# Altium PCB MCH_MAIN.PCBDOC (part 8 of 14)
Units mil, origin at the board's own origin, x right, y up, seen from the top; angles counter-clockwise.
Board outline 7110.66 x 2894.12 mil, 6 copper layers (Top Layer, Power, MidLayer1, MidLayer4, GND, Bottom Layer), stack 61.549 mil thick; 630 components, 1085 nets, 3940 pads, 2676 vias.
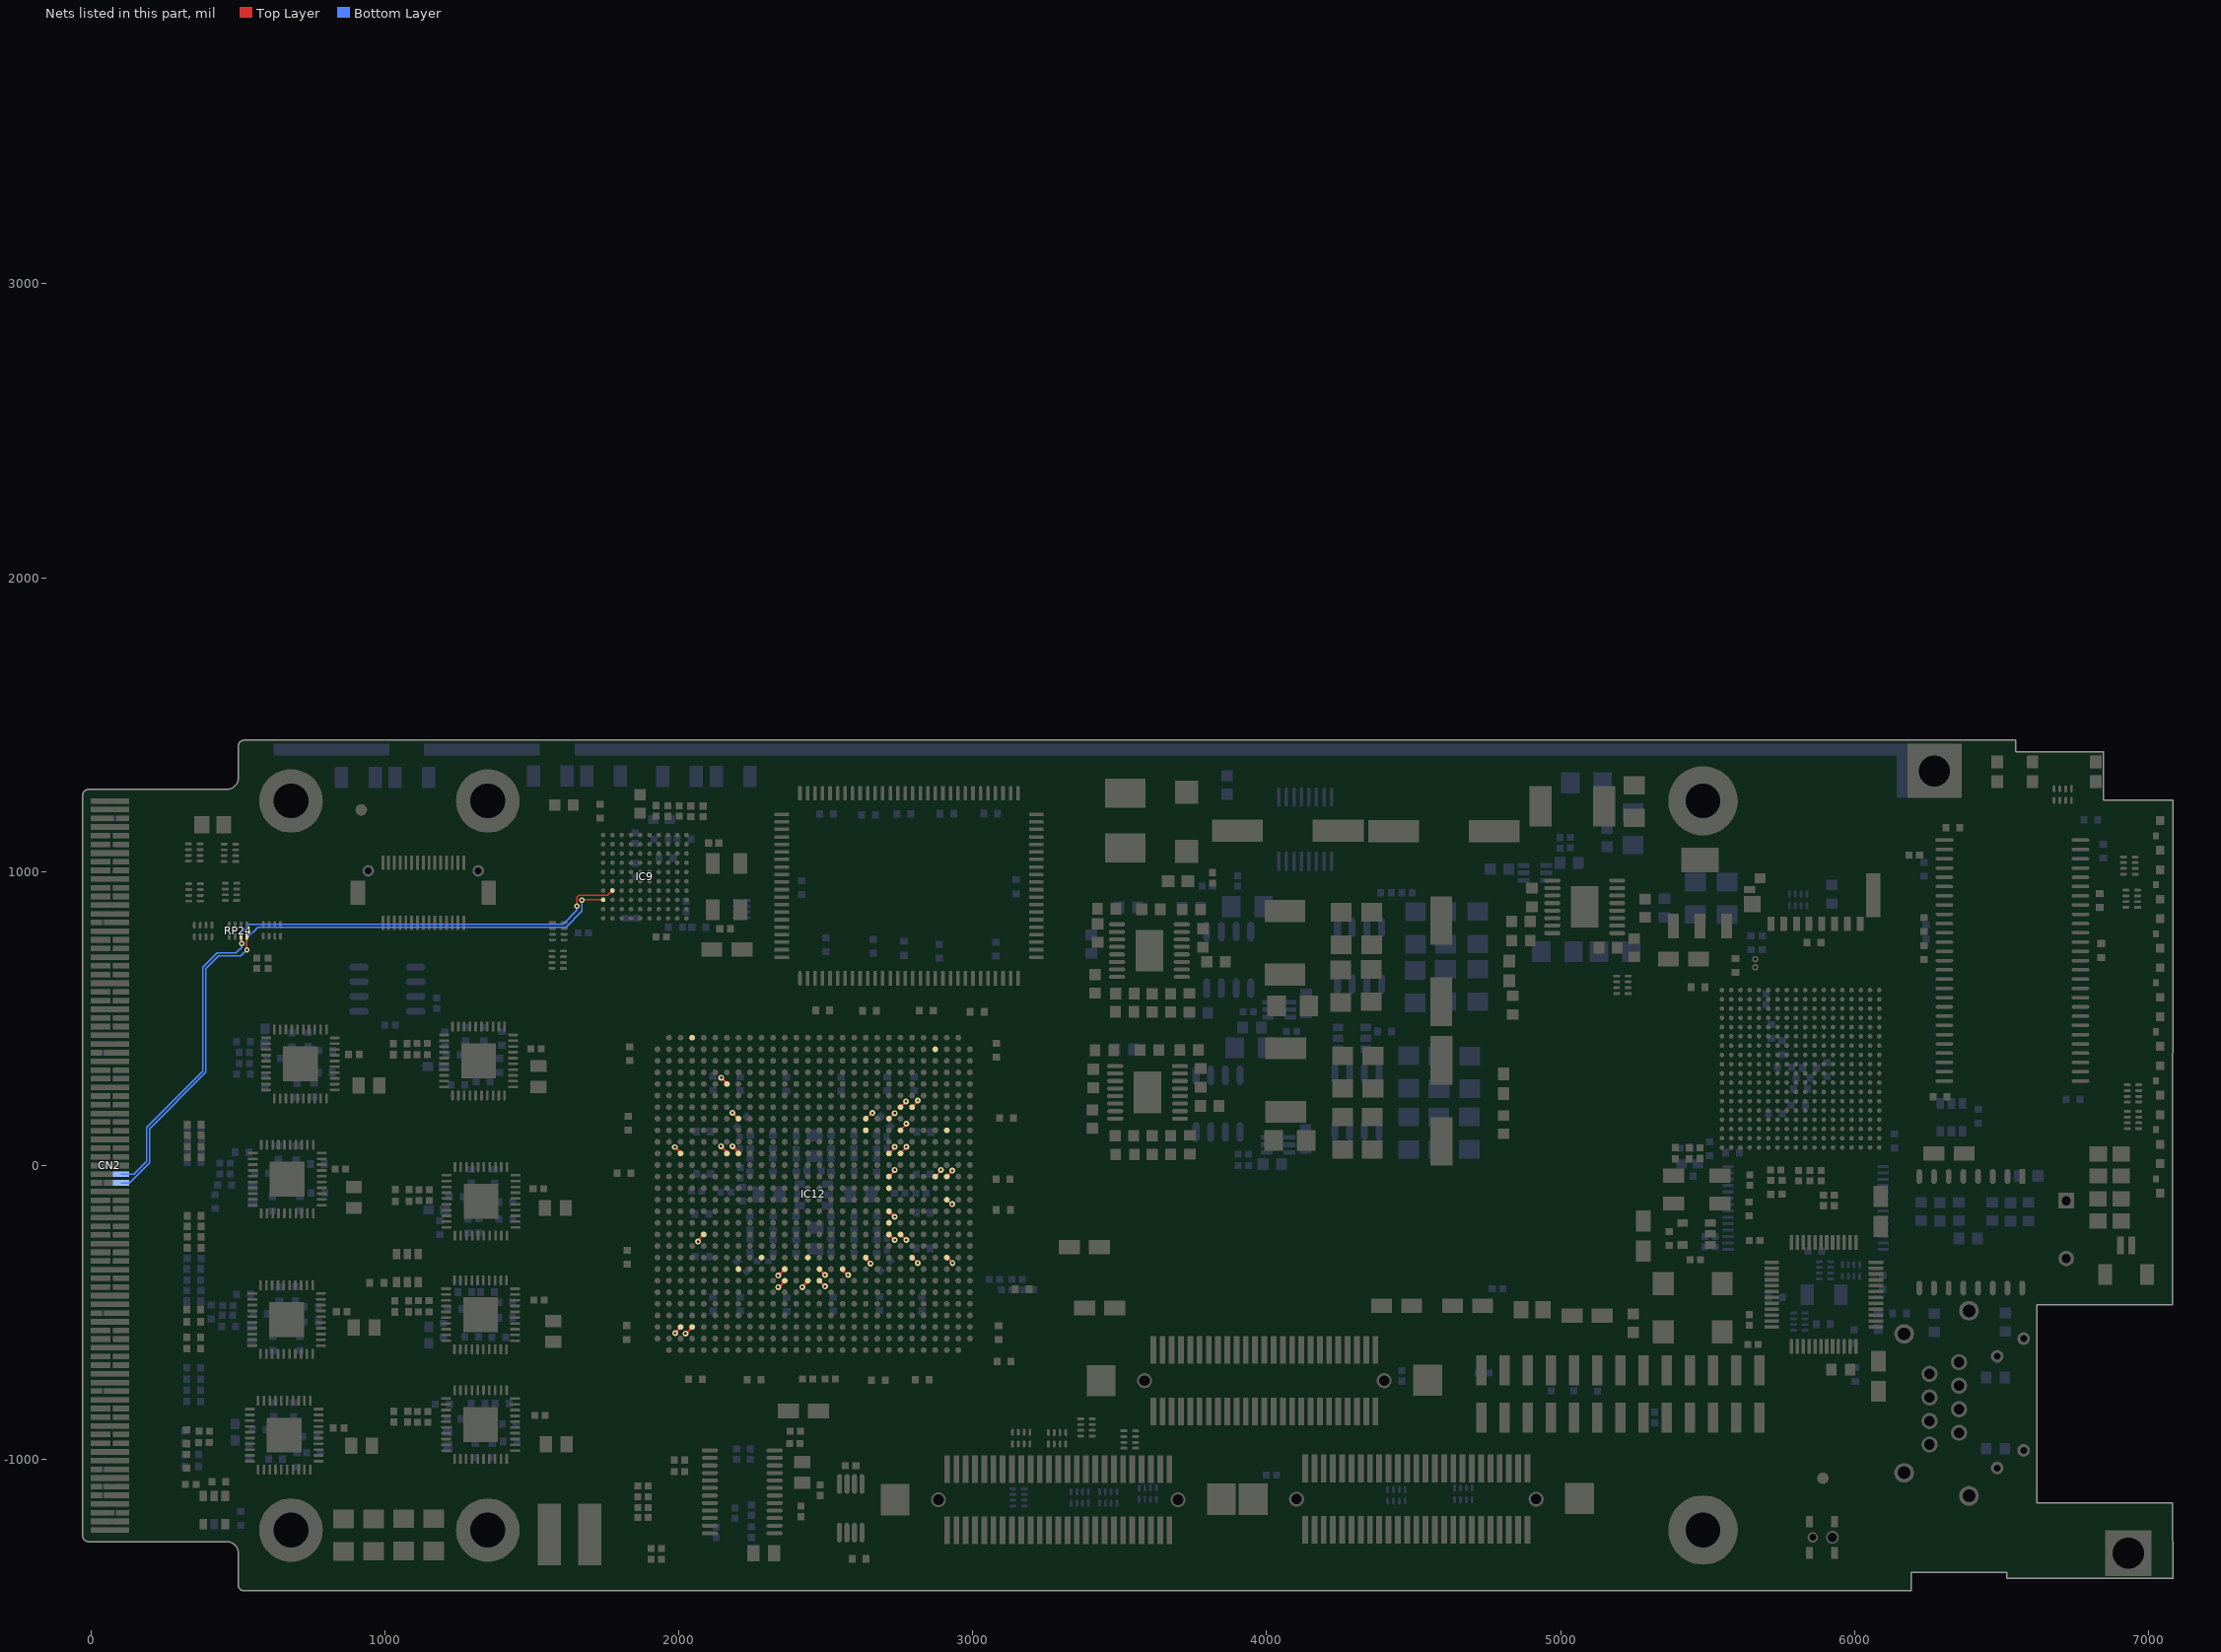
[diagram p12: the nets of this part, all layers, seen from the top]

## Via types
v1: diameter 20, hole 8, Top Layer to Bottom Layer, tented both sides, 1658 vias
v2: diameter 18, hole 8, Top Layer to Bottom Layer, tented both sides, 580 vias
v3: diameter 24, hole 10, Top Layer to Bottom Layer, tented both sides, 438 vias

## Nets (pads, with @x,y where several pads share a name; then routed paths per layer and width w, separated by ;. In a path a pad name is that pad's centre, name@x,y a point inside that pad or via, vN(x,y) a via of type N, cw(c..) or ccw(c..) an arc to the next point about the centre after c; other vN are vias at no path point) (continued)
FREE_2V5_37: IC12.AA15 | length 25.1
  Top Layer w8: IC12.AA15@2478.73,-352.6 2478.73,-352.76 v1@2496.36,-370.4
  other v1: 2497.35,-372.3
FREE_2V5_38: IC12.A4
FREE_2V5_39: IC12.L8 | length 33
  Top Layer w8: v1(2182.79,65.66) 2203.14,45.32 IC12.L8@2203.14,41.1
FREE_2V5_40: IC12.L7 | length 33
  Top Layer w8: v1(2143.42,65.66) 2163.77,45.32 IC12.L7@2163.77,41.1
FREE_2V5_41: IC12.AF3 | length 24.4
  Top Layer w8: v1@1988.49,-569.22 2004.32,-553.39 IC12.AF3@2004.32,-551.42
  other v1: 1987.5,-570.2
FREE_2V5_42: IC12.H8 | length 29
  Top Layer w8: v1(2182.79,179.83) 2203.14,159.49 IC12.H8@2203.14,159.21
FREE_2V5_43: IC12.Y10
FREE_2V5_44: IC12.Y19 | length 26.9
  Top Layer w8: IC12.Y19@2636.21,-313.23 2636.21,-316.91 v1(2652.6,-333.3)
FREE_2V5_45: IC12.Y14 | length 0.7
  Top Layer w5: IC12.Y14@2438.67,-313.23 IC12.Y14@2439.36,-313.23
FREE_2V5_46: IC12.AF4 | length 24.4
  Top Layer w8: v1@2027.86,-569.22 2043.69,-553.39 IC12.AF4@2043.69,-551.42
  other v1: 2022.94,-571.18
FREE_2V5_47: IC12.L3 | length 30.1
  Top Layer w8: v1(1987.16,62.68) 2006.28,43.55 IC12.L3@2006.28,41.1
  Bottom Layer w5: v1@1986.74,63.1 v1(1987.16,62.68)
FREE_2V5_48: IC12.AB12 | length 29.9
  Top Layer w8: v1@2338.88,-415.67 2358.65,-395.91 IC12.AB12@2358.65,-393.94
  other v1: 2337.9,-413.7
FREE_2V5_49: IC12.AA8
FREE_2V5_50: IC12.E7 | length 29.6
  Top Layer w8: v1(2144.41,298.93) 2163.77,279.57 IC12.E7@2163.77,277.32
FREE_2V5_51: IC12.V5 | length 32.5
  Top Layer w5: v1(2065.6,-258.9) 2065.6,-253.92 IC12.V5@2085.02,-234.49
FREE_2V5_52: IC12.AA12 | length 28
  Top Layer w8: v1@2338.88,-374.33 IC12.AA12@2358.65,-354.57
  other v1: 2337.9,-374.33
FREE_2V5_53: IC12.AA17 | length 27.1
  Top Layer w8: IC12.AA17@2557.47,-352.6 2557.47,-354.73 v1@2575.1,-372.36
  other v1: 2576.09,-372.3
FREE_2V5_54: IC12.AB14 | length 29.9
  Top Layer w8: v1@2419.59,-413.7 2439.36,-393.94 IC12.AB14@2439.36,-391.97
  other v1: 2420.58,-413.7
FREE_2V5_55: IC12.AB15 | length 27.9
  Top Layer w8: IC12.AB15@2478.73,-391.97 2478.73,-392.13 v1@2498.33,-411.73
  other v1: 2497.35,-411.67
FREE_3V3_3: IC12.N21 | length 27.7
  Top Layer w5: IC12.N21@2714.95,-37.64 v1@2734.55,-18.03
  other v1: 2734.55,-15.08
FREE_3V3_4: IC12.Y23 | length 27
  Top Layer w8: IC12.Y23@2793.69,-313.23 2795.5,-313.23 v1@2813.29,-331.03
  other v1: 2813.29,-331.95
FREE_3V3_5: IC12.H21 | length 48.5
  Top Layer w5: v1@2730.62,174.88 IC12.H21@2714.95,159.21 v1@2733.57,177.83
  other v1: 2734.55,177.83
FREE_3V3_6: IC12.R26 | length 23.4
  Top Layer w5: IC12.R26@2911.8,-116.38 2925.65,-130.24 v1@2929.43,-130.24
  other v1: 2930.15,-131.73
FREE_3V3_7: IC12.B25
FREE_3V3_8: IC12.N25 | length 36.5
  Top Layer w5: IC12.N25@2872.43,-37.64 v1@2892.03,-18.03 ; v1@2891.76,-14.5 2893.02,-13.25 v1@2893.02,-9.18
  Bottom Layer w5: v1@2892.03,-18.03 v1(2892.03,-15.08)
FREE_3V3_9: IC12.V21 | length 27.1
  Top Layer w8: IC12.V21@2714.95,-234.49 2714.95,-234.65 2732.58,-252.29 v1@2732.58,-250.32
  other v1: 2734.55,-253.21
FREE_3V3_10: IC12.V22 | length 30.7
  Top Layer w8: IC12.V22@2751.35,-234.57 IC12.V22@2752.27,-234.57 ; IC12.V22@2754.32,-234.49 2774.08,-254.25 v1@2775.89,-254.25
  other v1: 2773.92,-253.21
FREE_3V3_11: IC12.L22 | length 36.5
  Top Layer w5: IC12.L22@2754.32,41.1 v1@2773.92,60.71 ; v1@2773.65,64.24 2774.91,65.49 v1@2774.91,69.56
  Bottom Layer w5: v1@2773.92,60.71 v1(2773.92,63.66)
FREE_3V3_12: IC12.U21
FREE_3V3_13: IC12.Y26 | length 29.8
  Top Layer w8: IC12.Y26@2911.8,-313.23 2913.61,-313.23 v1@2933.37,-332.99
  other v1: 2931.4,-331.95
FREE_3V3_14: IC12.T21 | length 24.2
  Top Layer w8: IC12.T21@2714.95,-155.75 2730.77,-171.58 v1@2732.58,-171.58
  other v1: 2734.55,-174.47
FREE_3V3_15: IC12.G23 | length 27.7
  Top Layer w5: IC12.G23@2793.69,198.58 v1@2813.29,218.19
  other v1: 2813.29,221.14
FREE_3V3_16: IC12.J26
FREE_3V3_17: IC12.L21 | length 36.5
  Top Layer w5: IC12.L21@2714.95,41.1 v1@2734.55,60.71 ; v1@2734.28,64.24 2735.54,65.49 v1@2735.54,69.56
  Bottom Layer w5: v1@2734.55,60.71 v1(2734.55,63.66)
FREE_3V3_18: IC12.P21
FREE_3V3_19: IC12.H19 | length 38.3
  Top Layer w5: IC12.H19@2636.21,159.21 2655.81,178.82 v1(2658.76,178.82)
  Bottom Layer w5: v1@2664.67,179.8 v1@2660.6,179.8 ; v1@2660.6,179.8 2659.34,178.55 v1@2660.6,179.8
FREE_3V3_20: IC12.N26 | length 31.1
  Top Layer w5: IC12.N26@2911.8,-37.64 v1@2931.4,-18.03 ; v1@2931.13,-14.5 v1@2932.39,-13.25
  Bottom Layer w5: v1@2931.37,-19.64 v1@2931.37,-18.06
  other v1: 2930.6,-17.2
FREE_3V3_21: IC12.J22 | length 36.5
  Top Layer w5: IC12.J22@2754.32,119.84 v1@2773.92,139.45 ; v1@2773.65,142.98 2774.91,144.23 v1@2774.91,148.3
  Bottom Layer w5: v1@2773.92,139.45 v1(2773.92,142.4)
FREE_3V3_22: IC12.G22 | length 26.3
  Top Layer w5: IC12.G22@2754.32,198.58 v1@2772.94,217.2
  other v1: 2772.94,218.19
FREE_3V3_23: IC12.J19
FRU_SCL: CN2.130 IC9.A3 RP24.8 | length 2413
  Top Layer w5: v2@530.53,734.37 RP24.8@530.53,779.21 ; v2(1671,902.9) 1672,903.9 1701,903.9 ; 1691,903.9 1701,903.9 ; IC9.A3@1743,903.89 1701,903.9
  Bottom Layer w5: CN2.130@102.37,-59.08 131.25,-59.08 199.5,9.18 199.5,125.2 391,316.7 391,669.9 434.5,713.4 510.5,713.4 v2(531,733.9) 531,772.9 569,810.9 1616,810.9 1670.5,865.4 v2@1670.5,902.4
FRU_SDA: CN2.129 IC9.B4 RP24.7 | length 2442.3
  Top Layer w5: v2@509,752.9 510.84,754.74 RP24.7@510.84,779.21 ; v2(1654,882.9) 1654,912.9 1660.5,919.4 1744.87,919.4 1745,919.27 ; 1736.63,919.27 1745,919.27 ; IC9.B4@1774.5,935.39 1758.37,919.27 1745,919.27
  Bottom Layer w5: CN2.129@102.37,-29.55 146.4,-29.55 155.75,-20.2 ; 155.88,-20.2 189.5,13.42 189.5,129.34 381,320.84 381,674.9 429.5,723.4 493.83,723.4 513,742.57 v2(513,754.9) ; v2@510,751.9 v2(513,754.9) ; v2(1654,882.9) 1654,868.4 1606.5,820.9 541,820.9 513,792.9 v2(513,754.9)